# Altium PCB mini蓝牙遥控器PCB.PcbDoc
Units mil, origin at the board's own origin, x right, y up, seen from the top; angles counter-clockwise.
Board outline 1968.56 x 2834.65 mil, 2 copper layers (Top Layer, Bottom Layer); 54 components, 35 nets, 188 pads, 229 vias.
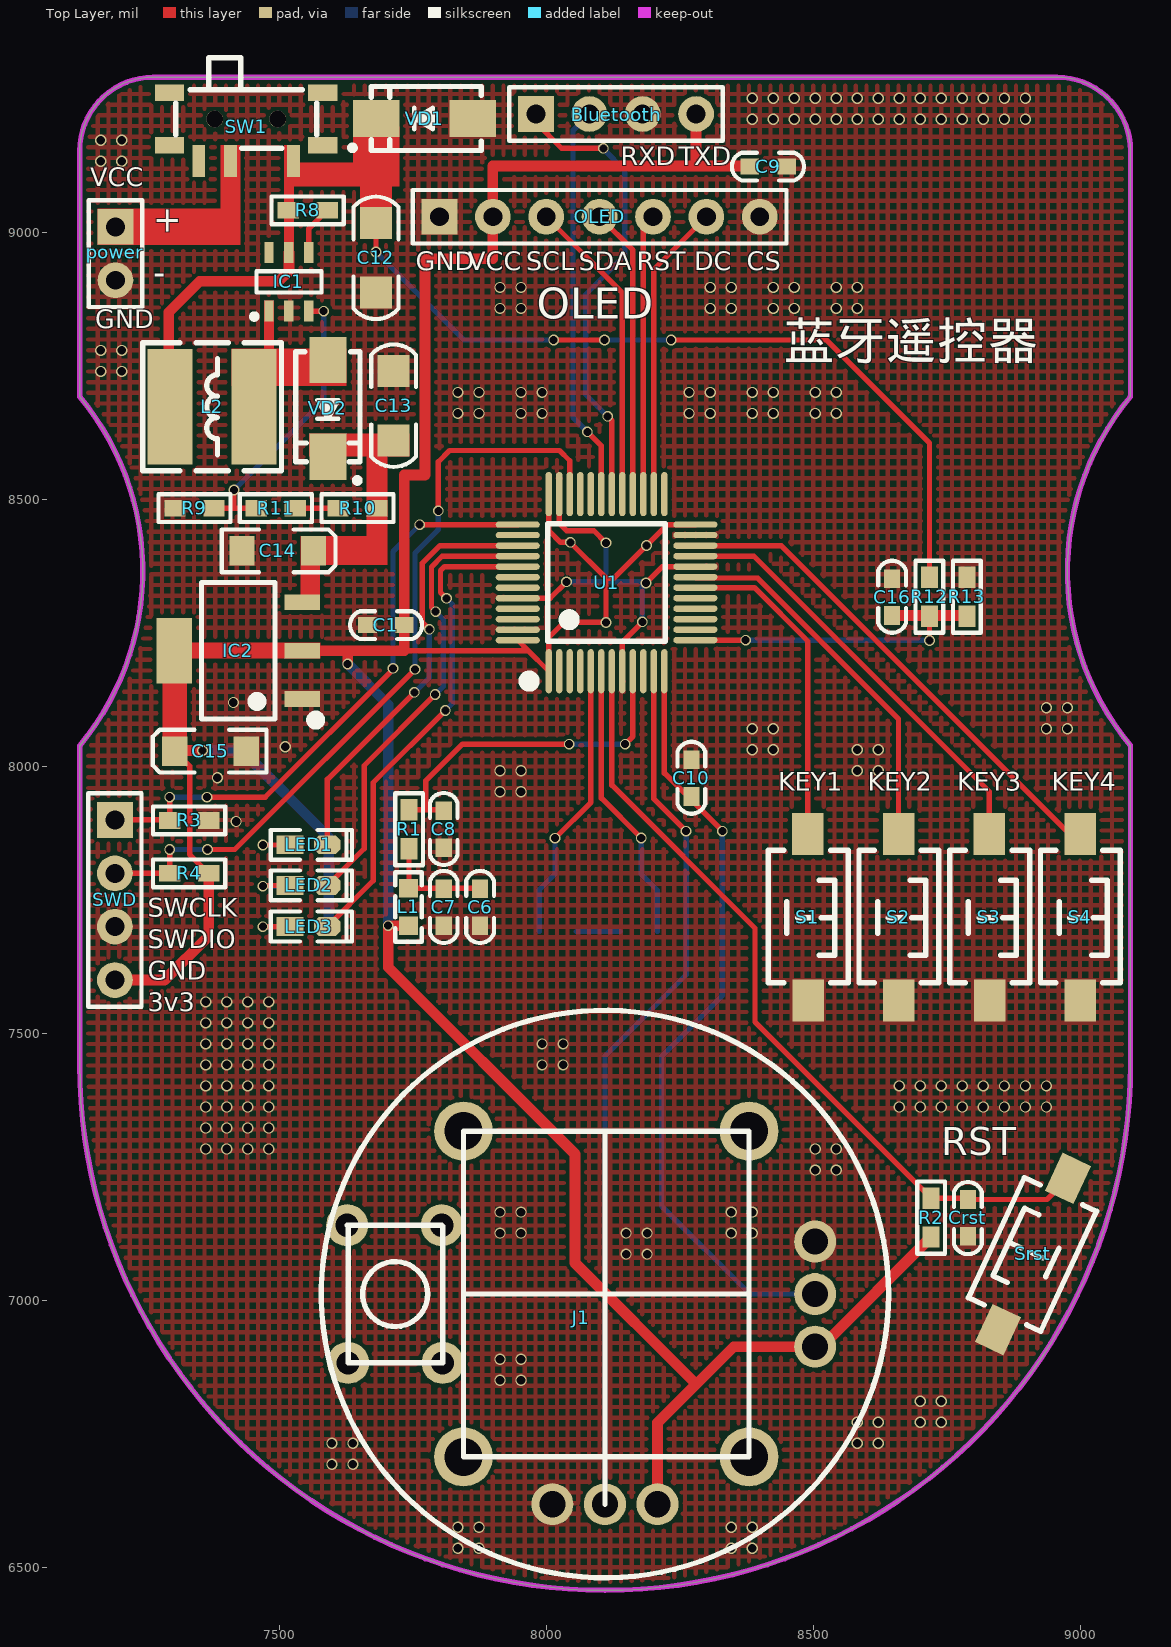
[diagram p0: Top Layer view]
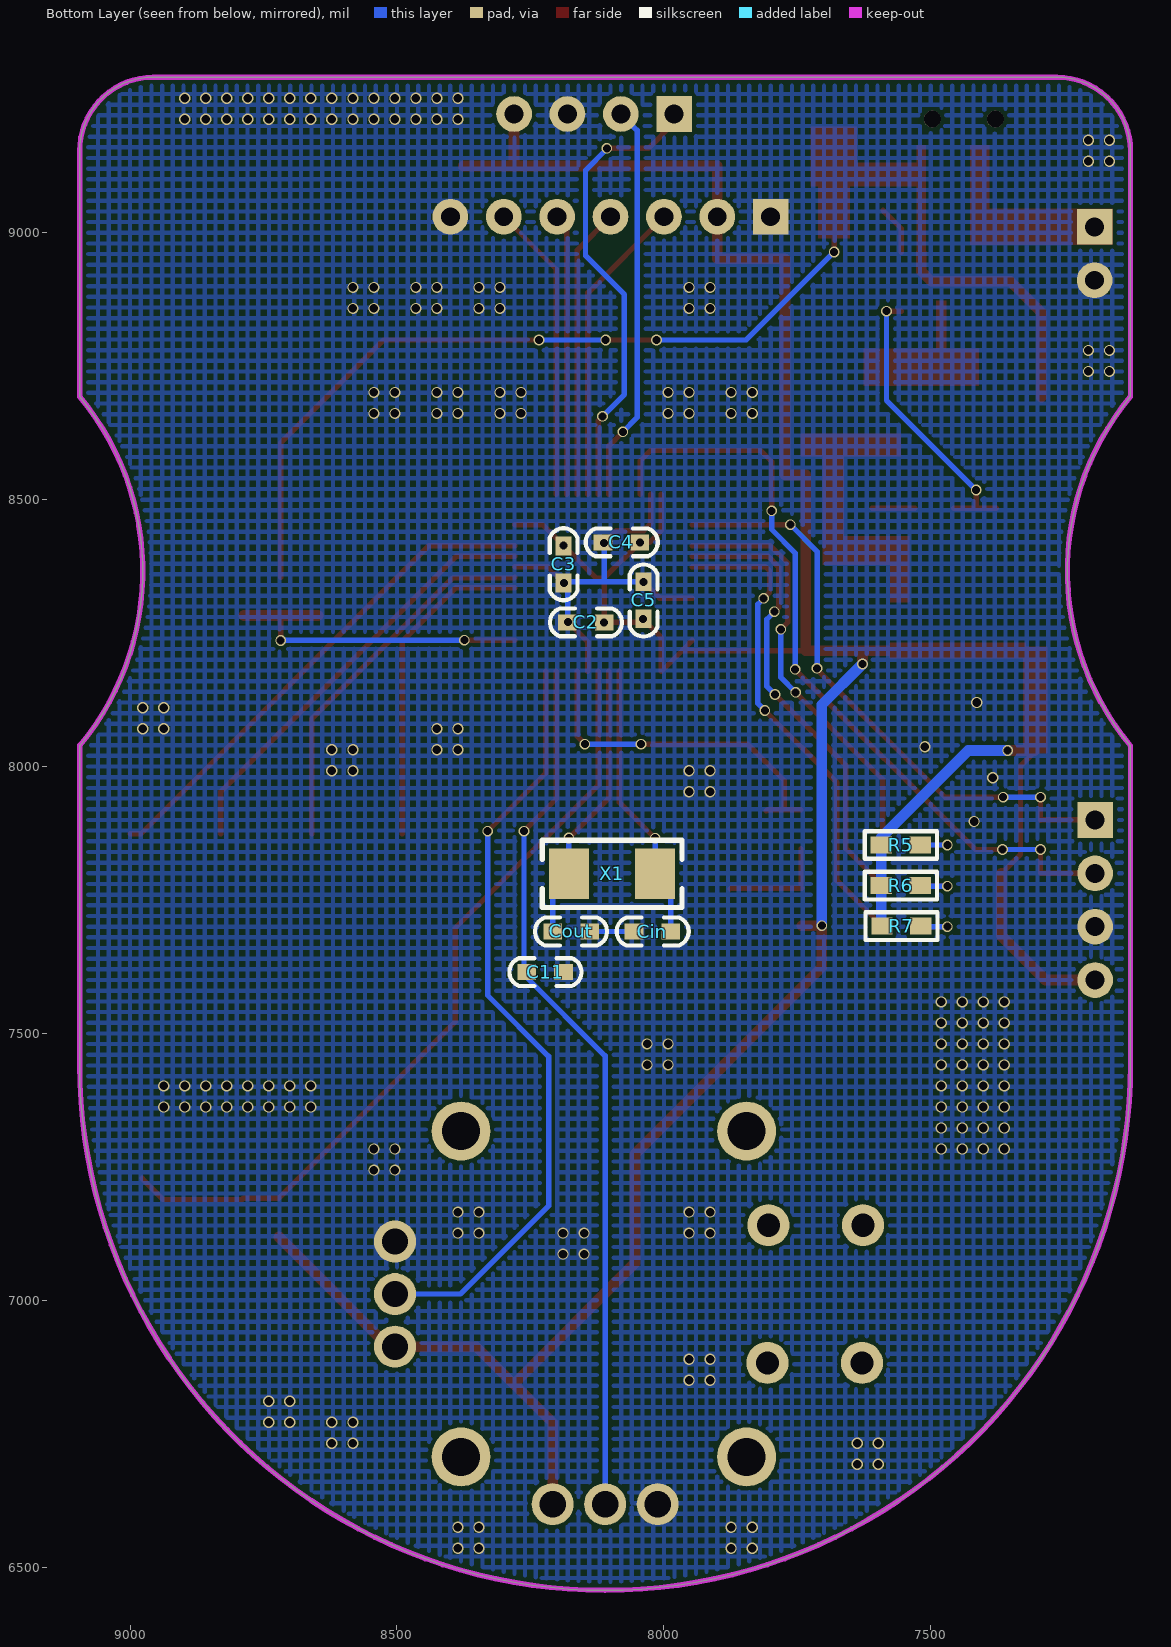
[diagram p1: Bottom Layer view, seen from below]

## Layer stack, top to bottom
Top Solder: solder mask 0.4, Solder Resist, Dk 3.5
Top Layer: signal copper 1.4
Dielectric 1: dielectric 12.6, FR-4, Dk 4.8
Bottom Layer: signal copper 1.4
Bottom Solder: solder mask 0.4, Solder Resist, Dk 3.5

## Board outline
7125.93,7441 7125.93,8039.04 ccw(c6732.28,8366.14) 7126.07,8693.07 7125.98,8693.16 7125.98,9153.54 cw(c7263.78,9153.54) 7263.78,9291.34 8956.69,9291.34 cw(c8956.69,9153.54) 9094.49,9153.54 9094.49,8693.16 9094.4,8693.07 ccw(c9488.19,8366.14) 9094.05,8039.64 9094.49,8039.49 9094.49,7440.94 cw(c8110.24,7440.94)

## Design rules (kind name [scope] priority, off if disabled: settings)
Clearance [All] p1: gap=7 ignorepadtopadclearanceinfootprint=FALSE except(0: Arc-Hole Track-Hole SMDPad-Hole THPad-Hole Via-Hole Fill-Hole Poly-Hole Region-Hole Text-Hole)
PolygonConnect [All] p1: connectstyle=Direct reliefconductorwidth=10 reliefentries=4 polygonreliefangle="90 Angle" airgapwidth=10
RoutingVias [All] p1: holewidth=28 width=50 viastyle="Through Hole" minholewidth=28 minwidth=50 maxholewidth=28 maxwidth=50
SolderMaskExpansion [All] p1: expansion=4
Width [All] p1: maxlimit=900 minlimit=10 preferedwidth=10
30 further rules are at their usual default settings.

## Components (designator, comment, footprint, x,y, rotation, side; value= is the part's Value field where it differs from the comment)
Bluetooth "HDR-1X4" HDR-1X4 7980.71,9222.44 r0 top
C1 "104" "C 0603" 7700,8265 r0 top
C2 "104" "C 0603" 8146,8270 r180 bottom
C3 "104" "C 0603" 8188,8379 r90 bottom
C4 "104" "C 0603" 8079,8420 r180 bottom
C5 "104" "C 0603" 8038,8311 r270 bottom
C6 "10uf" "C 0603" 7876,7737 r90 top
C7 "104" "C 0603" 7808,7737 r90 top
C8 "104" "C 0603" 7808,7883 r90 top
C9 "10uf" "C 0603" 8415.35,9124.02 r180 top
C10 "104" "C 0603" 8272,7979 r90 top
C11 "104" "C 0603" 8222,7615 r180 bottom
C12 "22uf" "C 1206" 7681,8953 r270 top
C13 "22uf" "C 1206" 7714,8676 r90 top
C14 "22uF/6.3V" "CD A(3216)" 7497,8404 r180 top
C15 "22uF/6.3V" "CD A(3216)" 7371,8029 r0 top
C16 "104" "C 0603" 8648,8318 r90 top
Cin "20pf" "C 0603" 8021,7691 r180 bottom
Cout "20pf" "C 0603" 8174,7691 r0 bottom
Crst "104" "C 0603" 8790,7154 r270 top
IC1 "MT3608" SOT23-6L 7518,8908 r0 top
IC2 "LM1117-3.3" SOT223_L 7423,8217 r90 top
J1 "油门摇杆" 摇杆2 7940,7076.7 r0 top
L1 "10uH" "L 0603" 7742,7737 r270 top
L2 "33uH" CD54 7374,8674 r180 top
LED1 "红色" "LED 0603R" 7555,7853 r0 top
LED2 "红色" "LED 0603B" 7555,7777 r0 top
LED3 "红色" "LED 0603G" 7555,7700 r0 top
OLED "HDR-1X7" HDR-1X7 7800,9030 r0 top
power "HDR-1X2" HDR-1X2 7193,9011 r270 top
R1 "0Ω" "R 0603" 7743,7882.5 r270 top
R2 "10K" "R 0603" 8721,7155 r90 top
R3 "10K" "R 0603" 7331,7899 r180 top
R4 "10K" "R 0603" 7331,7800 r180 top
R5 "1K" "R 0603" 7556,7853 r0 bottom
R6 "1K" "R 0603" 7556,7777 r0 bottom
R7 "1K" "R 0603" 7555,7701 r0 bottom
R8 "10K" "R 0603" 7553,9042 r180 top
R9 "1K5" "R 0603" 7341,8484 r0 top
R10 "10K" "R 0603" 7646.5,8484 r0 top
R11 "1K" "R 0603" 7493.5,8484 r0 top
R12 "10K" "R 0603" 8718,8318 r90 top
R13 "10K" "R 0603" 8788,8318 r270 top
S1 "3x6x5" "TSW SMD-3*6*2.5" 8490.79,7716.69 r270 top
S2 "3x6x5" "TSW SMD-3*6*2.5" 8660.79,7716.69 r270 top
S3 "3x6x5" "TSW SMD-3*6*2.5" 8830.79,7716.69 r270 top
S4 "3x6x5" "TSW SMD-3*6*2.5" 9000.79,7716.69 r270 top
Srst "3x6x5" "TSW SMD-3*6*2.5" 8912,7088 r65 top
SW1 "SS-12F23" MSK-12C01-07 7437.94,9213 r180 top
SWD "HDR-1X4" HDR-1X4 7192,7900 r270 top
U1 "STM32F103C8T6" "LQFP48 7X7_M" 8113,8345 r0 top
VD1 "SS54" SMA 7772,9214 r180 top
VD2 "SS54" SMA 7591,8671 r270 top
X1 "8MHz" LC-SMD-5032_2P 8097,7799 r180 bottom

## Footprints (in the part's own frame and the unit in brackets; to place one, negate y for a bottom-side part, rotate by r counter-clockwise, add the part's x,y. Pads: shape width x height; smd on the part's side, far side on the other; paste and mask are expansions set on the pad)
"C 0603" [mil] "无极性贴片电容"
  rect 35x30 smd: 1(-35,0) 2(34,0)
  silkscreen extent -67,-26 67,26, body extent -31,-16 31,16, height 32
"C 1206" [mil] "无极性贴片电容"
  rect 60x60 smd: 1(-65,0) 2(65,0)
  silkscreen extent -115,-42 115,42, body extent -63,-32 63,32, height 48
CD54 [mm] "5.8*5.2*4.5mm（长宽高）"
  rect 2.15x5.5 smd: 1(-2,0) 2(2,0)
  silkscreen extent -3.3,-3.05 3.3,3.05, body extent -2.87,-2.5 2.87,2.5, height 4
"CD A(3216)" [mm] "长3.2mm，宽1.6mm，厚1.6mm"
  rect 1.2x1.4 smd: 1(-1.7,0) 2(1.7,0)
  silkscreen extent -2.74,-1.02 2.67,1.02, body extent -1.6,-0.8 1.6,0.8, height 1.6
HDR-1X2 [mm] "排针，2脚"
  rect 1.7x1.7 hole 0.9: 1(0,0)
  round 1.7 hole 0.9: 2(2.54,0)
  silkscreen extent -1.27,-1.27 3.81,1.27, body extent -1.27,-1.27 3.81,1.27, height 8.5
HDR-1X4 [mm] "排针，4脚"
  rect 1.7x1.7 hole 0.9: 1(0,0)
  round 1.7 hole 0.9: 2(2.54,0) 3(5.08,0) 4(7.62,0)
  silkscreen extent -1.27,-1.27 8.89,1.27, body extent -1.27,-1.27 8.89,1.27, height 8.5
HDR-1X7 [mm] "排针，8脚"
  rect 1.7x1.7 hole 0.9: 1(0,0)
  round 1.7 hole 0.9: 2(2.54,0) 3(5.08,0) 4(7.62,0) 5(10.16,0) 6(12.7,0) 7(15.24,0)
  silkscreen extent -1.27,-1.27 16.51,1.27, body extent -1.27,-1.27 16.51,1.27, height 8.5
"L 0603" [mil] "小功率贴片电感"
  rect 35x35 smd: 1(-35,0) 2(35,0)
  silkscreen extent -65,-25 65,25, body extent -31,-16 31,16, height 31
LC-SMD-5032_2P [mm]
  rect 1.9x2.4 smd: 1(-2.05,0) 2(2.05,0)
  silkscreen extent -3.32,-1.6 3.32,1.6
"LED 0603B" [mil] "蓝色0603LED"
  rect 50x35 smd: 1(-35,0.26)
  oct 50x35 smd: 2(35,0.26)
  silkscreen extent -71,-28 81,28, body extent -31,-16 32,16, height 24
"LED 0603G" [mil] "绿色0603LED"
  rect 50x35 smd: 1(-35,0.26)
  oct 50x35 smd: 2(35,0.26)
  silkscreen extent -71,-28 81,28, body extent -31,-16 32,16, height 24
"LED 0603R" [mil] "红色0603LED"
  rect 50x35 smd: 1(-35,0.26)
  oct 50x35 smd: 2(35,0.26)
  silkscreen extent -71,-28 81,28, body extent -31,-16 32,16, height 24
"LQFP48 7X7_M" [mm] "48脚，体宽7x7mm，脚距0.5mm"
  oval 0.3x2.1 smd: 1(-2.75,-4.227) 2(-2.25,-4.227) 3(-1.75,-4.227) 4(-1.25,-4.227) 5(-0.75,-4.227) 6(-0.25,-4.227) 7(0.25,-4.227) 8(0.75,-4.227) 9(1.25,-4.227) 10(1.75,-4.227) 11(2.25,-4.227) 12(2.75,-4.227) 25(2.75,4.202) 26(2.25,4.202) 27(1.75,4.202) 28(1.25,4.202) 29(0.75,4.202) 30(0.25,4.202) 31(-0.25,4.202) 32(-0.75,4.202) 33(-1.25,4.202) 34(-1.75,4.202) 35(-2.25,4.202) 36(-2.75,4.202)
  oval 2.1x0.3 smd: 13(4.227,-2.75) 14(4.227,-2.25) 15(4.227,-1.75) 16(4.227,-1.25) 17(4.227,-0.75) 18(4.227,-0.25) 19(4.227,0.25) 20(4.227,0.75) 21(4.227,1.25) 22(4.227,1.75) 23(4.227,2.25) 24(4.227,2.75) 37(-4.227,2.75) 38(-4.227,2.25) 39(-4.227,1.75) 40(-4.227,1.25) 41(-4.227,0.75) 42(-4.227,0.25) 43(-4.227,-0.25) 44(-4.227,-0.75) 45(-4.227,-1.25) 46(-4.227,-1.75) 47(-4.227,-2.25) 48(-4.227,-2.75)
  silkscreen extent -3.93,-4.95 2.79,2.79, body extent -4.5,-4.5 4.5,4.5, height 1.45
MSK-12C01-07 [mm] "6.7*2.8*1.5mm(长宽高）"
  rect 1.4x0.8 smd: 0(-3.65,-1.25) 0(-3.65,1.25) 0(3.65,-1.25) 0(3.65,1.25)
  rect 0.6x1.5 smd: 1(-2.25,1.996) 2(0.75,1.996) 3(2.25,1.996)
  round 0.8 hole 0.8: " "(-1.5,0) " "(1.5,0)
  silkscreen extent -3.35,-2.92 3.35,1.4, body extent -3.92,-2.9 3.92,2.4, height 1.5
"R 0603" [mil] "1/10W贴片电阻"
  rect 40x31.5 smd: 1(-36.5,0) 2(36.5,0)
  silkscreen extent -68,-26 68,26, body extent -31,-16 32,16, height 16
SMA [mm] "4.5x2.6*2.2mm（长宽高，不包括引脚）"
  rect 2.2x1.75 smd: 1(-2.3,0) 2(2.3,0)
  silkscreen extent -2.7,-1.52 3.56,1.52, body extent -2.53,-1.3 2.58,1.3, height 2.15
SOT23-6L [mm] "3x1.6x1.1mm(长宽高)"
  rect 0.45x1 smd: 1(-0.95,-1.397) 2(0,-1.397) 3(0.95,-1.397) 4(0.95,1.397) 5(0,1.397) 6(-0.95,1.397)
  silkscreen extent -1.77,-1.78 1.55,0.51, body extent -1.5,-1.4 1.5,1.4, height 1.15
SOT223_L [mm] "6.4x7x1.6mm(长宽高)"
  rect 0.75x1.7 smd: 1(-2.3,-3.048) 2(0,-3.048) 3(2.3,-3.048)
  rect 3.1x1.7 smd: 2(0,3.048)
  silkscreen extent -3.5,-3.88 3.25,1.75, body extent -3.25,-3.51 3.25,3.51, height 1.65
"TSW SMD-3*6*2.5" [mm] "3*6*2.5mm"
  rect 2x1.5 smd: 1(-3.996,-0.02) 2(3.937,0)
  silkscreen extent -3.21,-1.9 3.09,1.9, body extent -4,-1.88 4,1.62, height 2.59
摇杆2 [mm]
  round 2.8 hole 1.8: 0(-2.413,-9.398) 0(-2.413,6.102) 0(11.176,-9.398) 0(11.176,6.102)
  round 2 hole 1.25: 1(14.318,0.849) 2(14.318,-1.651) 3(14.318,-4.151) 4(6.818,-11.651) 5(4.318,-11.651) 6(1.818,-11.651)
  round 2 hole 1.1: J1(-7.95,1.626) J1(-7.904,-4.925) J2(-3.45,1.626) J2(-3.404,-4.925)
  silkscreen extent -9.18,-15.15 17.82,11.85

## Part data
Bluetooth SWD: library part "Header 4", "4P接插件"
C1 C2 C3 C4 C5 C6 C7 C8 C9 C10 C11 C12 C13 C16 Cin Cout Crst: library part C, "无极性贴片电容"
C14 C15: library part C-CD, "贴片钽电容"
IC1: library part Component_1
IC2: library part AMS1117
J1: library part 摇杆, "摇杆"
L1: library part L, "小功率贴片电感"
L2: library part L-CD, "贴片功率电感"
LED1 LED2 LED3: library part LED-SMD, "贴片LED"
OLED: library part "Header 7", "7P接插件"
power: library part "Header 2", "2P接插件"
R1 R2 R3 R4 R5 R6 R7 R8 R9 R10 R11 R12 R13: library part R, "贴片电阻"
S1 S2 S3 S4 Srst: library part "TSW 3x6", "3x6轻触开关"
SW1: library part SSW-1P, "1路波动开关"
U1: "Flaah:64/RAM:20/IO:36"
VD1 VD2: library part SS14, "肖特基二极管"
X1: library part XTAL-2, "2脚晶振"

## Via types
v1: diameter 21, hole 16, Top Layer to Bottom Layer, 184 vias
v2: diameter 20, hole 15, Top Layer to Bottom Layer, 45 vias

## Nets (pads, with @x,y where several pads share a name; then routed paths per layer and width w, separated by ;. In a path a pad name is that pad's centre, name@x,y a point inside that pad or via, vN(x,y) a via of type N, cw(c..) or ccw(c..) an arc to the next point about the centre after c; other vN are vias at no path point)
3.7V: C12.1 IC1.5 L2.2 R8.2 R12.2 SW1.1 VD1.2 | length 1940.7
  Top Layer w10: v2(7681,8964) C12.1 ; v2(8014,8799) v2@8108,8799 ; v2(8234,8799) 8525,8799 8718,8606 R12.2
  Top Layer w20: L2.2@7293,8692 7293,8851 7351,8909 7499,8909 7518,8928 IC1.5
  Bottom Layer w10: v2(7681,8964) 7846.01,8799 v2(8014,8799) ; v2(8109,8799) v2(8234,8799)
3V3: Bluetooth.4 C1.2 C2.2 C3.2 C4.2 C5.2 C9.2 C15.1 IC2.2 J1.3 J1.4 L1.2 OLED.2 R2.1 R4.1 R5.2 R6.2 R7.2 SWD.4 U1.1 U1.24 U1.36 U1.48 | length 6440.6
  Top Layer w10: C15.1@7305.07,8030 C15.1 7332,8001.07 7332,7835.5 R4.1 ; 7734,8217 7963,8217 7964.66,8218.66 ; U1.48 7964.66,8218.66 ; U1.36 8004.73,8442.27 8027,8420 v2(8045,8420) 8112,8353 ; U1.24 8227.27,8453.27 v2(8188,8414) 8127,8353 8112,8353 ; J1.3 J1.3@8515.78,6913.28 ; 7964.66,8218.66 U1.1 8004.73,8241.73 v2(8039,8276) 8045,8270 v2(8112,8270) 8112,8353
  Top Layer w20: SWD.4 7285,7600 7367.5,7682.5 R4.1 ; C15.1@7305.07,8030 v2(7356,8030) ; IC2.2@7543,8217 7628,8217 ; v2(7628,8192) 7628,8217 ; L1.2 v2(7704,7702) 7704,7624 8054,7274 8054,7070 8281,6843 ; J1.4 8208.43,6770.43 8351.28,6913.28 J1.3 ; Bluetooth.4 8280.71,9125 ; C9.2@8375.98,9125 8280.71,9125 ; J1.3@8515.78,6913.28 R2.1 ; 7628,8217 7734,8217 C1.2 7734,8546 7773,8546 7773,8951 7900,8951 OLED.2 7900,9125 8280.71,9125
  Bottom Layer w10: R7.2 R7.2@7592.5,7702
  Bottom Layer w20: v2(7356,8030) 7430,8030 7592.5,7867.5 R6.2 R7.2@7592.5,7702 ; v2(7628,8192) 7704,8116 v2(7704,7702)
5V: C13.1 C14.1 IC2.3 R10.2 VD2.2 | length 36
  Top Layer w10: 7683,8599 7702,8599 C13.1
GND: Bluetooth.3 C1.1 C2.1 C3.1 C4.1 C5.1 C6.1 C7.1 C8.1 C9.1 C10.2 C11.2 C12.2 C13.2 C14.2 C15.2 C16.2 Cin.1 Cout.1 Crst.2 IC1.2 IC2.1 J1.1 J1.6 OLED.1 OLED.7 power.2 R3.1 R9.1 R13.1 S1.2 S2.2 S3.2 S4.2 Srst.1 SWD.3 U1.8 U1.20 U1.23 U1.35 U1.44 U1.47 VD1.1 | length 856.6
  Top Layer w10: U1.44 8007.47,8315.47 v2(8038,8346) ; U1.35 8024.42,8455.58 8038,8442 8089,8442 v2(8112,8419) ; U1.8 8142.53,8233.53 v2(8180,8271) ; v2(8187,8344) 8217.53,8374.53 U1.20
  Bottom Layer w10: v2(8038,8346) 8111.5,8346 ; Cin.1 Cout.1 ; v2(8112,8419) 8112,8346.5 8111.5,8346 ; v2(8180,8271) 8180,8337 v2(8187,8344) 8185,8346 8111.5,8346
  other v1: 7834.65,6535.43 7874.02,6535.43 8346.46,6535.43 8385.83,6535.43 7834.65,6574.8 7874.02,6574.8 8346.46,6574.8 8385.83,6574.8 7598.43,6692.91 7637.8,6692.91 7598.43,6732.28 7637.8,6732.28 8582.68,6732.28 8622.05,6732.28 8582.68,6771.65 8622.05,6771.65 8700.79,6771.65 8740.16,6771.65 8700.79,6811.02 8740.16,6811.02 7913.39,6850.39 7952.76,6850.39 7913.39,6889.76 7952.76,6889.76 8149.61,7086.61 8188.98,7086.61 7913.39,7125.98 7952.76,7125.98 8149.61,7125.98 8188.98,7125.98 8346.46,7125.98 8385.83,7125.98 7913.39,7165.35 7952.76,7165.35 8346.46,7165.35 8385.83,7165.35 8503.94,7244.09 8543.31,7244.09 7362.2,7283.46 7401.57,7283.46 7440.94,7283.46 7480.31,7283.46 8503.94,7283.46 8543.31,7283.46 7362.2,7322.83 7401.57,7322.83 7440.94,7322.83 7480.31,7322.83 7362.2,7362.2 7401.57,7362.2 7440.94,7362.2 7480.31,7362.2 8661.42,7362.2 8700.79,7362.2 8740.16,7362.2 8779.53,7362.2 8818.9,7362.2 8858.27,7362.2 8897.64,7362.2 8937.01,7362.2 7362.2,7401.57 7401.57,7401.57 7440.94,7401.57 7480.31,7401.57 8661.42,7401.57 8700.79,7401.57 8740.16,7401.57 8779.53,7401.57 8818.9,7401.57 8858.27,7401.57 8897.64,7401.57 8937.01,7401.57 7362.2,7440.94 7401.57,7440.94 7440.94,7440.94 7480.31,7440.94 7992.13,7440.94 8031.5,7440.94 7362.2,7480.31 7401.57,7480.31 7440.94,7480.31 7480.31,7480.31 7992.13,7480.31 8031.5,7480.31 7362.2,7519.69 7401.57,7519.69 7440.94,7519.69 7480.31,7519.69 7362.2,7559.06 7401.57,7559.06 7440.94,7559.06 7480.31,7559.06 7419,7897 7913.39,7952.76 7952.76,7952.76 7384,7979 7913.39,7992.13 7952.76,7992.13 8582.68,7992.13 8622.05,7992.13 8385.83,8031.5 8425.2,8031.5 8582.68,8031.5 8622.05,8031.5 7511,8037 8385.83,8070.87 8425.2,8070.87 8937.01,8070.87 8976.38,8070.87 8937.01,8110.24 8976.38,8110.24 7414,8120 7834.65,8661.42 7874.02,8661.42 7952.76,8661.42 7992.13,8661.42 8267.72,8661.42 8307.09,8661.42 8385.83,8661.42 8425.2,8661.42 8503.94,8661.42 8543.31,8661.42 7834.65,8700.79 7874.02,8700.79 7952.76,8700.79 7992.13,8700.79 8267.72,8700.79 8307.09,8700.79 8385.83,8700.79 8425.2,8700.79 8503.94,8700.79 8543.31,8700.79 7165.35,8740.16 7204.72,8740.16 7165.35,8779.53 7204.72,8779.53 7913.39,8858.27 7952.76,8858.27 8307.09,8858.27 8346.46,8858.27 8425.2,8858.27 8464.57,8858.27 8543.31,8858.27 8582.68,8858.27 7913.39,8897.64 7952.76,8897.64 8307.09,8897.64 8346.46,8897.64 8425.2,8897.64 8464.57,8897.64 8543.31,8897.64 8582.68,8897.64 7165.35,9133.86 7204.72,9133.86 7165.35,9173.23 7204.72,9173.23 8385.83,9212.6 8425.2,9212.6 8464.57,9212.6 8503.94,9212.6 8543.31,9212.6 8582.68,9212.6 8622.05,9212.6 8661.42,9212.6 8700.79,9212.6 8740.16,9212.6 8779.53,9212.6 8818.9,9212.6 8858.27,9212.6 8897.64,9212.6 8385.83,9251.97 8425.2,9251.97 8464.57,9251.97 8503.94,9251.97 8543.31,9251.97 8582.68,9251.97 8622.05,9251.97 8661.42,9251.97 8700.79,9251.97 8740.16,9251.97 8779.53,9251.97 8818.9,9251.97 8858.27,9251.97 8897.64,9251.97
KEY1: S1.1 U1.18 | length 613.1
  Top Layer w10: U1.18 8389.84,8335.16 8490,8235 S1.1
KEY2: S2.1 U1.19 | length 705.7
  Top Layer w10: U1.19 8281.2,8353.06 8395.98,8353.06 8660,8089.04 S2.1
KEY3: S3.1 U1.21 | length 812.3
  Top Layer w10: U1.21 8388.79,8394.21 8830,7953 S3.1
KEY4: S4.1 U1.22 | length 944.2
  Top Layer w10: U1.22 8440.1,8413.9 8980,7874 S4.1
LED1: LED1.2 U1.39 | length 805.9
  Top Layer w10: LED1.2 7590,7976 v2(7753,8139) ; v2(7781,8257) 7768,8270 7768,8381 7800.9,8413.9 U1.39
  Bottom Layer w10: v2@7752,8138 v2(7753,8139) 7781,8167 v2(7781,8257)
LED2: LED2.2 U1.40 | length 865.7
  Top Layer w10: LED2.2 7659,7846.25 7659,8002 v2(7792,8135) ; v2@7794,8289 v2(7793,8290) 7785,8298 7785,8373.96 7805.25,8394.21 U1.40
  Bottom Layer w10: v2@7793,8136 7807,8150 7807,8276 v2(7793,8290)
LED3: LED3.2 U1.41 | length 920.4
  Top Layer w10: LED3.2 7676,7786.25 7676,7970 v2(7811,8105) ; v2(7813,8315) 7802,8326 7802,8366.92 7809.61,8374.53 U1.41
  Bottom Layer w10: v2(7811,8105) 7824,8118 7824,8304 v2(7813,8315)
NetC6_2: C6.2 C7.2 L1.1 R1.2 | length 208.8
  Top Layer w10: R1.2 7743,7773 L1.1 7875,7772 C6.2
NetC8_2: C8.2 R1.1 U1.9 | length 664.7
  Top Layer w10: R1.1 7774.5,7919 ; C8.2 7806,7919 7774.5,7919 ; v2(8043,8042) 7843,8042 7774.5,7973.5 7774.5,7919 ; v2(8148,8042) 8162.21,8056.21 U1.9
  Bottom Layer w10: v2(8043,8042) v2(8148,8042)
NetC16_1: C16.1 R12.1 R13.2 U1.13 | length 625
  Top Layer w10: U1.13 v2(8373.73,8236.73) ; v2(8718,8236) R12.1 ; R13.2@8786.5,8283 R13.2
  Top Layer w20: C16.1 R13.2@8786.5,8283
  Bottom Layer w10: v2(8373.73,8236.73) 8717.27,8236.73 v2(8718,8236)
NetCin_2: Cin.2 U1.5 X1.2 | length 527.5
  Top Layer w10: v2(8016.29,7865.71) 8083.47,7932.89 U1.5
  Bottom Layer w10: Cin.2 7987,7769.71 X1.2 v2(8016.29,7865.71)
NetCout_2: Cout.2 U1.6 X1.1 | length 531.1
  Top Layer w10: U1.6 8103.16,7940.84 v2(8178,7866)
  Bottom Layer w10: v2(8178,7866) X1.1 8208,7768.71 Cout.2
NetCrst_1: Crst.1 R2.2 Srst.2 U1.7 | length 1508.7
  Top Layer w10: U1.7 8122.84,7965.16 8391,7697 8391,7521.5 R2.2 8787.5,7191.5 Crst.1 8938.03,7189 Srst.2
NetIC1_1: IC1.1 L2.1 VD2.1
NetIC1_3: IC1.3 R9.2 R11.1 | length 545.7
  Top Layer w10: R9.2 7415,8484 ; v2(7415,8518) 7415,8484 ; R11.1 7415,8484 ; IC1.3 v2(7583,8853)
  Bottom Layer w10: v2(7415,8518) 7583,8686 v2(7583,8853)
NetIC1_4: IC1.4 R8.1 | length 93.1
  Top Layer w10: IC1.4 7555.4,9007.9 R8.1
NetLED1_1: LED1.1 R5.1 | length 101.6
  Top Layer w10: v2(7469,7853) 7519.75,7853 LED1.1
  Bottom Layer w10: v2(7469,7853) R5.1
NetLED2_1: LED2.1 R6.1 | length 99.7
  Top Layer w10: v2@7471.26,7777.26 LED2.1
  Bottom Layer w10: v2(7469,7776) 7518.5,7776 R6.1
NetLED3_1: LED3.1 R7.1 | length 101
  Top Layer w10: v2(7469,7700) 7519.75,7700 LED3.1
  Bottom Layer w10: v2(7469,7700) 7517.5,7700 R7.1
NetR10_1: R10.1 R11.2 | length 80
  Top Layer w10: R11.2 R10.1
OLED_DC: OLED.6 U1.26 | length 560.3
  Top Layer w10: U1.26 8201.58,8931.58 OLED.6
OLED_RST: OLED.5 U1.27 | length 527.1
  Top Layer w10: U1.27 8181.9,9011.9 OLED.5
OLED_SCL: OLED.3 U1.29 | length 578.6
  Top Layer w10: OLED.3 8142.53,8887.47 U1.29
OLED_SDA: OLED.4 U1.28 | length 545.4
  Top Layer w10: OLED.4 8162.21,8967.79 U1.28
RXD: Bluetooth.2 U1.31 | length 746.8
  Top Layer w10: v2(8077,8627) 8103.16,8600.84 U1.31
  Bottom Layer w10: v2(8077,8627) 8050,8654 8050,9191.73 Bluetooth.2
SWCLK: R3.2 SWD.1 U1.37 | length 1139.7
  Top Layer w10: SWD.1 7293,7900 R3.2@7294.5,7901.5 ; R3.2 R3.2@7294.5,7901.5 ; v2(7294.5,7942.5) R3.2@7294.5,7901.5 ; v2(7364.5,7942.5) 7473.5,7942.5 7713,8182 v2(7713,8184) ; v2(7763,8453) 7763.27,8453.27 U1.37
  Bottom Layer w10: v2(7294.5,7942.5) v2(7364.5,7942.5) ; v2(7713,8184) 7713,8403 v2(7763,8453)
SWDIO: R4.2 SWD.2 U1.34 | length 1481.5
  Top Layer w10: SWD.2 R4.2 v2(7294.5,7844.5) ; v2(7365.5,7844.5) 7416.5,7844.5 v2(7754,8182) v2@7752,8184 ; v2(7798,8479) 7798,8571 7819,8592 8025,8592 8044.1,8572.9 U1.34
  Bottom Layer w10: v2(7294.5,7844.5) v2(7365.5,7844.5) ; v2(7754,8182) 7754,8400 7798,8444 v2(7798,8479)
TXD: Bluetooth.1 U1.30 | length 877.1
  Top Layer w10: Bluetooth.1 7980.71,9206.29 8029,9158 v2(8107,9158) ; v2(8115,8656) 8122.84,8648.16 U1.30
  Bottom Layer w10: v2(8107,9158) 8107,9156.78 8147,9116.78 8147,8957 8074,8884 8074,8697 v2(8115,8656)
VCC: power.1 SW1.2
X: C11.1 J1.5 U1.11 | length 1649.6
  Top Layer w10: U1.11 8201.58,7939.42 v2(8262,7879)
  Bottom Layer w10: J1.5 8110,7458 8262,7610 v2(8262,7879) v2@8262,7880
Y: C10.1 J1.2 U1.12 | length 1444
  Top Layer w10: U1.12 8221.27,7987.73 v2(8330,7879)
  Bottom Layer w10: v2@8330,7873 8330,7571 8216,7457 8216,7177 8381.3,7011.7 J1.2
pads on no net: "SW1. " IC1.6 J1.0 J1.J1 J1.J2 SW1.0 SW1.3 U1.2 U1.3 U1.4 U1.10 U1.14 U1.15 U1.16 U1.17 U1.25 U1.32 U1.33 U1.38 U1.42 U1.43 U1.45 U1.46

## Polygon pours and split planes (outlines as drawn)
GND on Top Layer "Bottom Layer-No Net" (hatched 90Degree grid 20 track 8, remove dead copper, pour order 0): 6860,9440 9200,9440 9420,9220 9320,9120 9320,6320 6920,6320 6760,6480
GND on Bottom Layer "Bottom Layer-No Net" (hatched 90Degree grid 20 track 8, remove dead copper, pour order 2): 6820,9580 7000,9400 9420,9400 9420,6440 9320,6340 9300,6360 6680,6360

## Keep-outs
Keep-Out Layer:
  lines w10: 7125.93,7441 7125.93,8039.04 ccw(c6732.28,8366.14) 7126.07,8693.07 ; 7125.98,7440.94 ccw(c8110.24,7440.94) 9094.49,7440.94 9094.49,8039.49 ; 7125.98,8693.16 7125.98,9153.54 cw(c7263.78,9153.54) 7263.78,9291.34 8956.69,9291.34 cw(c8956.69,9153.54) 9094.49,9153.54 9094.49,8693.16 ; 9094.05,8039.64 cw(c9488.19,8366.14) 9094.4,8693.07

## Other copper
Top Layer:
  region net VCC: 7427,9164 7390,9164 7390,8987 7427,8987
  region net VCC: 7427,9045 7159,9045 7159,8977 7427,8977
  region net 3.7V: 7725,9199 7638,9199 7638,9087 7725,9087
  region net 3.7V: 7725,9132 7514,9132 7514,9087 7725,9087
  region net 3.7V: 7527,9164 7509,9164 7509,8943 7527,8943
  region net 3.7V: 7711,9106 7651,9106 7651,8989 7711,8989
  region net NetIC1_1: 7626,8783 7410,8783 7410,8713 7626,8713
  region net 5V: 7744,8624 7556,8624 7556,8581 7744,8581
  region net NetIC1_1: 7490,8873 7471,8873 7471,8768 7490,8768
  region net 5V: 7703,8599 7663,8599 7663,8378 7703,8378
  region net 5V: 7703,8432 7540,8432 7540,8378 7703,8378
  region net 5V: 7576,8390 7540,8390 7540,8307 7576,8307
  region net 3V3: 7577,8232 7322,8232 7322,8202 7577,8202
  region net 3V3: 7327,8225 7281,8225 7281,8024 7327,8024

## Silkscreen, mask and mechanical layers (free items; w line width, h text height)
Top Overlay:
  text "RXD" at 8139.76,9114.17 h60
  text "TXD" at 8248.03,9114.17 h60
  text "VCC" at 7145.67,9074.8 h60
  text "+" at 7263.78,8986.22 h80
  text "GND" at 7755.91,8917.32 h60
  text "VCC" at 7854.33,8917.32 h60
  text "SCL" at 7962.6,8917.32 h60
  text "SDA" at 8061.02,8917.32 h60
  text "RST" at 8169.29,8917.32 h60
  text "DC" at 8277.56,8917.32 h60
  text "CS" at 8375.98,8917.32 h60
  text "-" at 7263.78,8887.8 h80
  text "OLED" at 7982.28,8818.9 h100
  text "GND" at 7155.51,8809.06 h60
  text "蓝牙遥控器" at 8444.88,8740.16 h120
  text "KEY1" at 8435.04,7942.91 h60
  text "KEY2" at 8602.36,7942.91 h60
  text "KEY3" at 8769.68,7942.91 h60
  text "KEY4" at 8946.85,7942.91 h60
  text "SWCLK" at 7253.94,7706.69 h60
  text "SWDIO" at 7253.94,7647.64 h60
  text "GND" at 7253.94,7588.58 h60
  text "3v3" at 7253.94,7529.53 h60
  text "RST" at 8740.16,7253.94 h90